# Altium PCB CORE_BOARD.PcbDoc (part 1 of 2)
Units mm, origin at the board's own origin, x right, y up, seen from the top; angles counter-clockwise.
Board outline 58 x 85.8 mm, 4 copper layers (Top Layer, PWR02, GND03, Bottom Layer), stack 1.883 mm thick; 89 components, 117 nets, 444 pads, 229 vias.
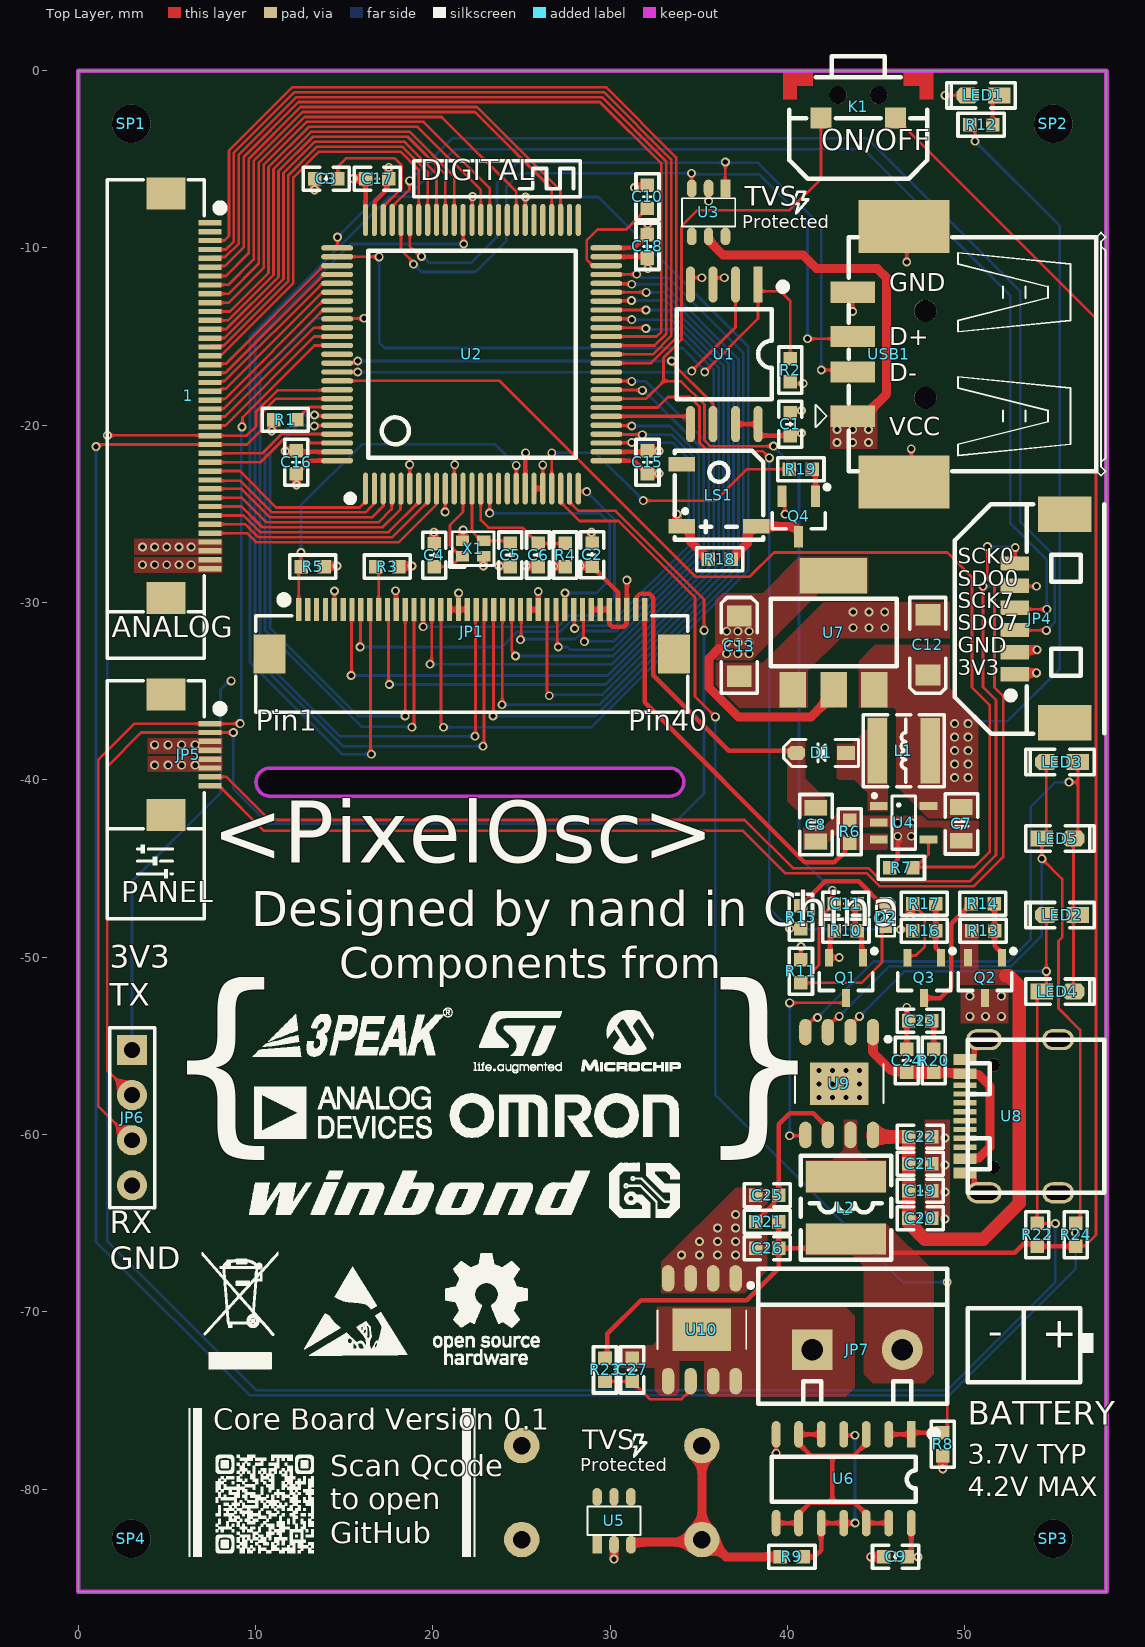
[diagram p0: Top Layer view]
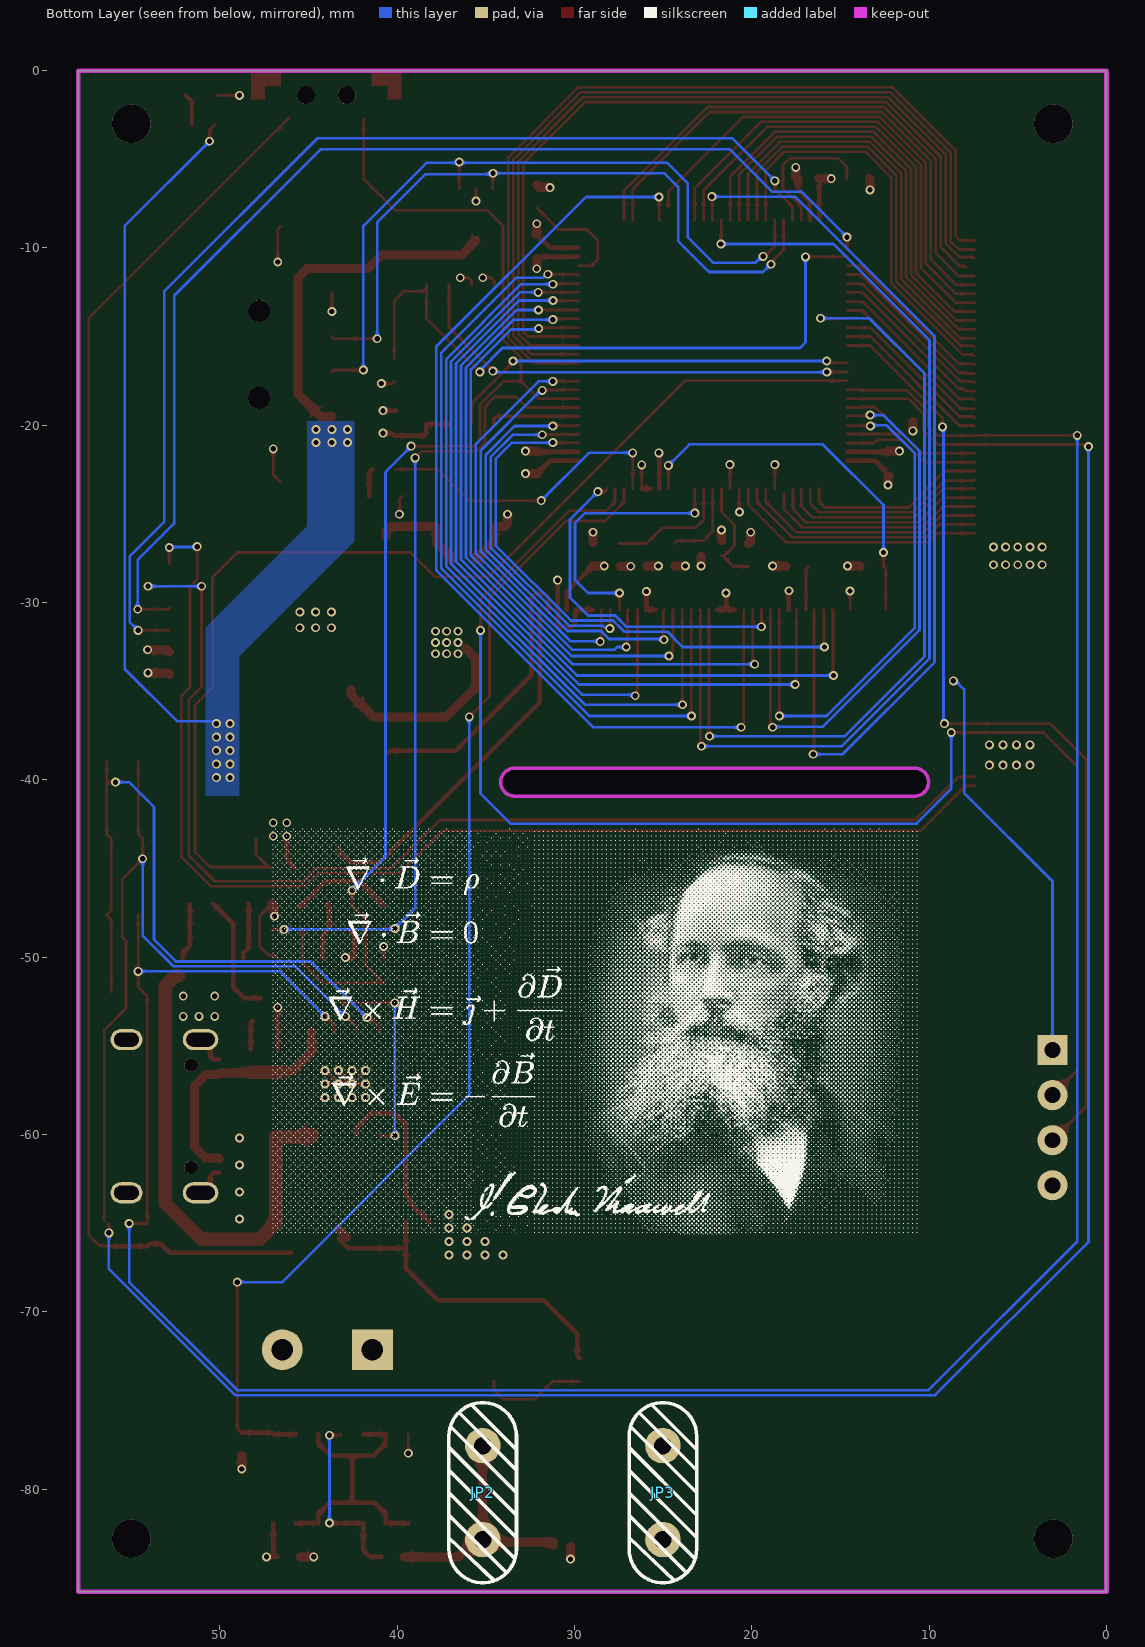
[diagram p1: Bottom Layer view, seen from below]
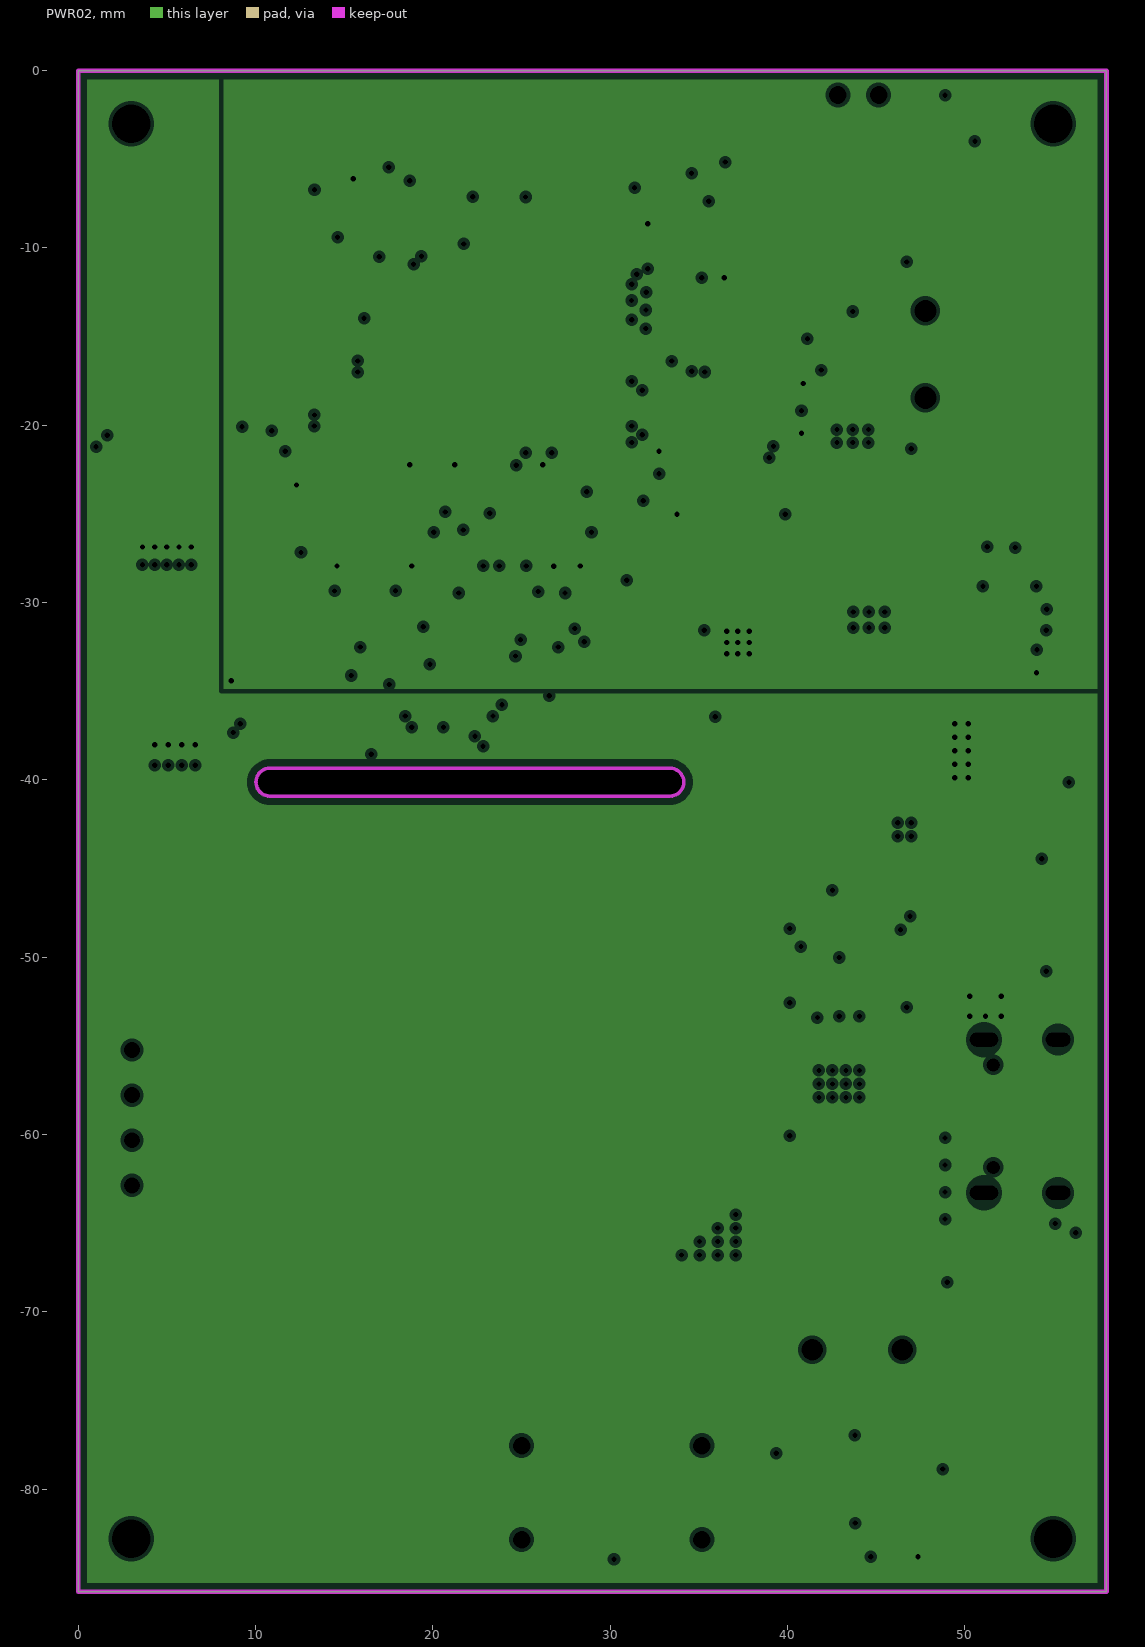
[diagram p2: PWR02, clearances drawn from the general rule]
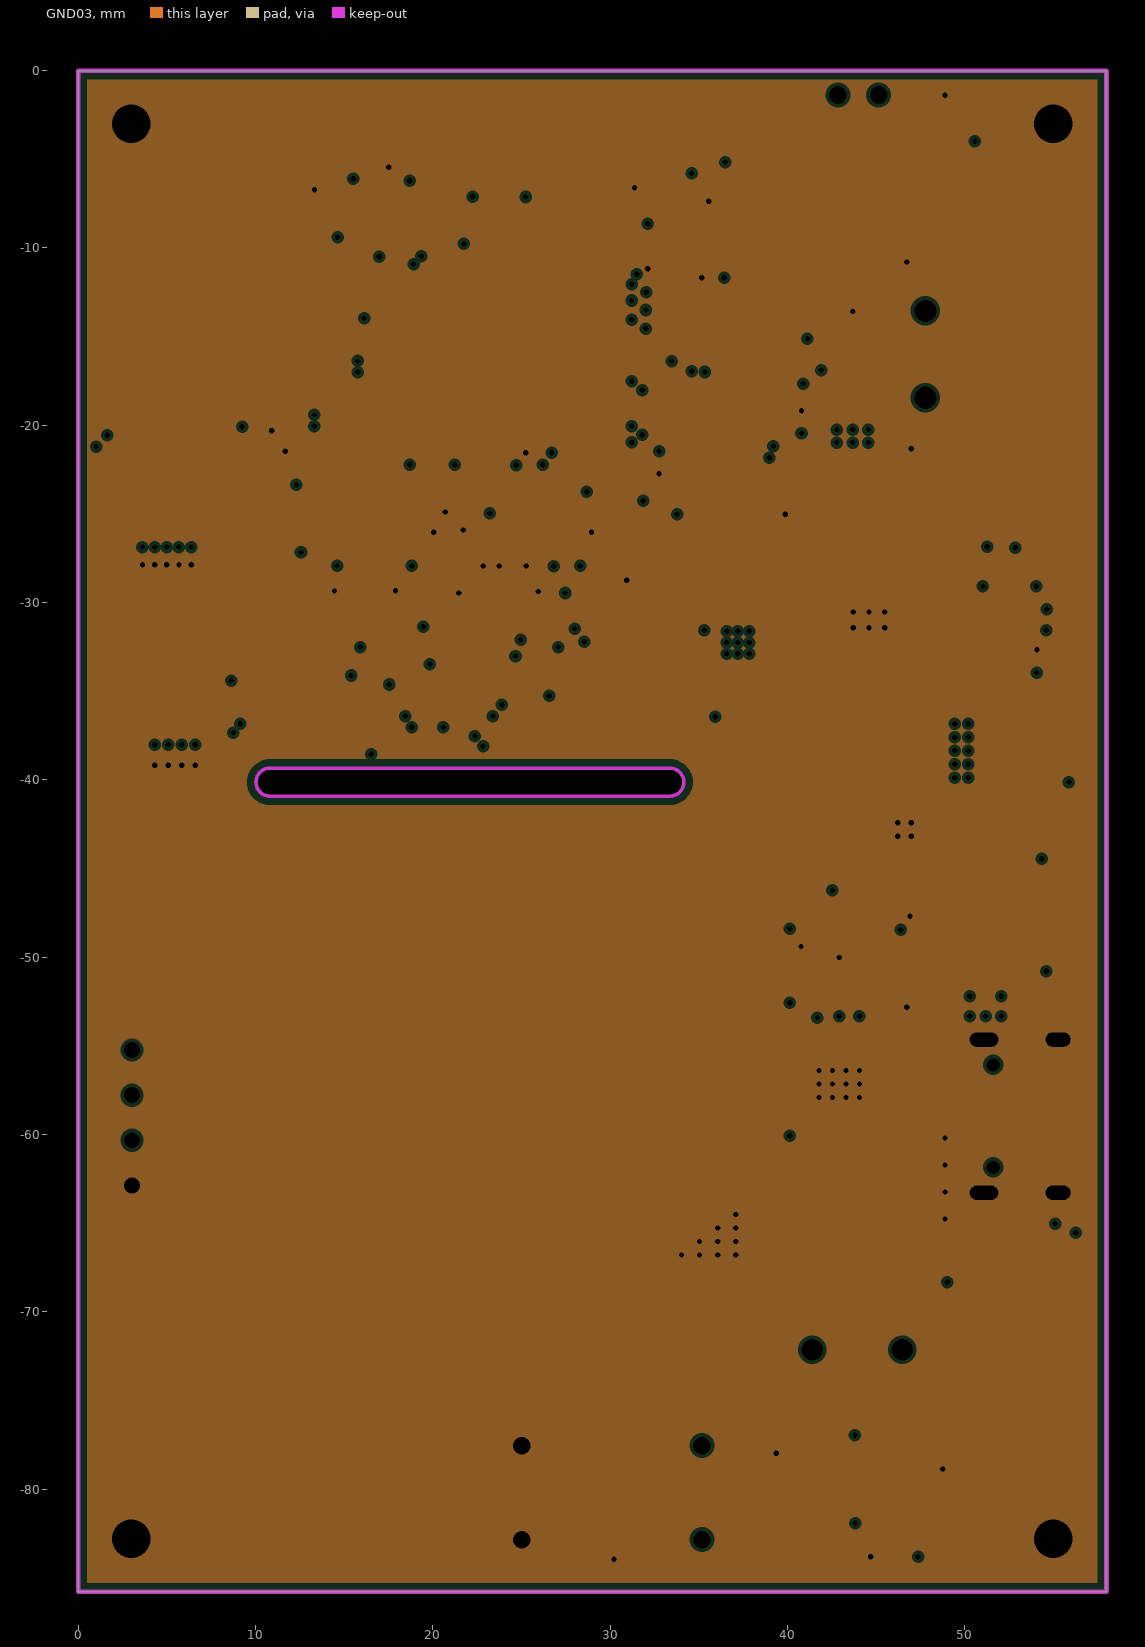
[diagram p3: GND03, clearances drawn from the general rule]

## Layer stack, top to bottom
Top Solder: solder mask 0.0102, Solder Resist, Dk 3.5
Top Layer: signal copper 0.0356
Dielectric 2: prepreg 0.0711, PP-006, Dk 4.1
PWR02: plane copper 0.035, net (Multiple Nets)
Dielectric 1: dielectric 1.6, FR-4, Dk 4.8
GND03: plane copper 0.035, net DGND
Dielectric 3: prepreg 0.0711, PP-006, Dk 4.1
Bottom Layer: signal copper 0.0356
Bottom Solder: solder mask 0.0102, Solder Resist, Dk 3.5

## Board outline
0,-85.8 0,0 58,0 58,-85.8
cut-out: 10.033,-40.132 ccw(c10.82,-40.132) 10.82,-40.919 33.376,-40.919 ccw(c33.376,-40.132) 34.163,-40.132 ccw(c33.376,-40.132) 33.376,-39.345 10.82,-39.345 ccw(c10.82,-40.132)

## Design rules (kind name [scope] priority, off if disabled: settings)
Clearance [All] p1: gap=0.127 ignorepadtopadclearanceinfootprint=FALSE
DiffPairsRouting [All] p1: maxlimit=0.508 minlimit=0.254 mostfreqgap=0.508 toplayer_minwidth=0.152 toplayer_maxwidth=0.508 toplayer_prefwidth=0.381 bottomlayer_minwidth=0.152 bottomlayer_maxwidth=0.508 bottomlayer_prefwidth=0.381 maxuncoupledlength=12.7
PlaneClearance [All] p1: clearance=0.203
PlaneConnect [All] p1: planeconnectstyle=Direct reliefexpansion=0.508 reliefentries=4 reliefconductorwidth=0.254 reliefairgap=0.254
PolygonConnect [All] p1: connectstyle=Direct reliefconductorwidth=0.254 reliefentries=4 polygonreliefangle="90 Angle" airgapwidth=0.254
RoutingVias [All] p1: holewidth=0.3 width=0.5 viastyle="Through Hole" minholewidth=0.3 minwidth=0.5 maxholewidth=0.3 maxwidth=0.5
SolderMaskExpansion [All] p1: expansion=0.102 istentingtop=FALSE
Width [All] p1: maxlimit=1.27 minlimit=0.152 preferedwidth=0.152
27 further rules are at their usual default settings.

## Classes and differential pairs
component class POWER_BANK_PART: C19 C20 C21 C22 C23 C24 C25 C26 C27 JP7 L2 LED2 LED3 LED4 LED5 R20 R21 R22 R23 R24 U8 U9 U10
component class DIGITAL_PART: 1 C1 C2 C3 C4 C5 C6 C7 C8 C9 C10 C11 C12 C13 C15 C16 C17 C18 D1 D2 JP1 JP2 JP3 JP4 JP5 JP6 K1 L1 LED1 LS1 Q1 Q2 Q3 Q4 R1 R2 R3 R4 R5 R6 R7 R8 R9 R10 R11 R12 R13 R14 R15 R16 R17 R18 R19 SP1 SP2 SP3 SP4 U1 U2 U3 U4 U5 U6 U7 USB1 X1
differential pair USB: +USB_P -USB_N

## Components (designator, comment, footprint, x,y, rotation, side; value= is the part's Value field where it differs from the comment)
1 "FPC1.0-40P" "FPC0.5 2H-WS-40P" 4.953,-18.339 r270 top
C1 "100nF" "C 0603_L" 40.164,-19.939 r90 top
C2 "22uF" "C 0603_L" 28.988,-27.305 r90 top
C3 "2.2uF" "C 0603_L" 14.002,-6.096 r180 top
C4 "10pF" "C 0603_L" 20.091,-27.33 r90 top
C5 "10pF" "C 0603_L" 24.367,-27.321 r270 top
C6 "0.1uF" "C 0603_L" 25.94,-27.321 r90 top
C7 "22uF" "C 0805_L" 49.816,-42.484 r90 top
C8 "22uF" "C 0805_L" 41.61,-42.526 r270 top
C9 "100nF" "C 0603_L" 46.101,-83.82 r0 top
C10 "2.2uF" "C 0603_L" 32.114,-7.112 r270 top
C11 "1uF" "C 0603_L" 43.292,-46.99 r0 top
C12 "10uF" "CD A(3216)" 47.93,-32.385 r90 top
C13 "10uF" "CD A(3216)" 37.287,-32.461 r270 top
C15 "100nF" "C 0603_L" 32.114,-22.098 r90 top
C16 "100nF" "C 0603_L" 12.302,-22.098 r270 top
C17 "100nF" "C 0603_L" 16.874,-6.096 r180 top
C18 "100nF" "C 0603_L" 32.114,-9.921 r90 top
C19 "22uF" "C 0603_L" 47.498,-63.183 r0 top
C20 "22uF" "C 0603_L" 47.503,-64.717 r0 top
C21 "22uF" "C 0603_L" 47.498,-61.659 r0 top
C22 "22uF" "C 0603_L" 47.498,-60.135 r0 top
C23 "10uF" "C 0603_L" 47.498,-53.594 r180 top
C24 "10uF" "C 0603_L" 46.736,-55.832 r90 top
C25 "22uF" "C 0603_L" 38.862,-63.436 r180 top
C26 "22uF" "C 0603_L" 38.862,-66.421 r180 top
C27 "0.1uF/16V" "C 0603_L" 31.242,-73.279 r90 top
D1 "B5919WS" SOD-323 41.91,-38.481 r180 top
D2 "1N4148" SOD-523_L 45.542,-47.752 r90 top
JP1 "AT043TN24" "FPC0.5 2H-WS-40P" 22.201,-32.897 r0 top
JP2 "冷压插片" DJ610-4.8x0.5x14 35.179,-80.199 r90 bottom
JP3 "冷压插片" DJ610-4.8x0.5x14 25.019,-80.199 r90 bottom
JP4 "HDR-1X6" "MX 1.25-WS-6P" 55.645,-30.912 r90 top
JP5 "FPC1.0-8P" "FPC0.5 2H-WS-8P" 4.953,-38.583 r270 top
JP6 "HDR-1X4" HDR2.54-LI-4P 3.048,-59.055 r270 top
JP7 "HDR-1X2" KF301-5.0-2P 46.482,-72.136 r0 top
K1 "6x6x5" TACT-SWITCH-3*6*3.5MM-SMD 44,-2.032 r180 top
L1 "22uH" NR4020 46.563,-38.354 r180 top
L2 "1uH" CD43 43.307,-64.135 r270 top
LED1 "红色" "LED 0603G" 51.054,-1.397 r180 top
LED2 "红色" "LED 0603W" 55.499,-47.621 r180 top
LED3 "红色" "LED 0603W" 55.499,-38.989 r180 top
LED4 "红色" "LED 0603W" 55.245,-51.95 r0 top
LED5 "红色" "LED 0603W" 55.245,-43.318 r0 top
LS1 "BUZZER" BUZZER-5*5*2mm 36.139,-23.952 r0 top
Q1 "SI2302" SOT23-3L 43.307,-51.181 r180 top
Q2 "AO3401" SOT23-3L 51.149,-51.181 r180 top
Q3 "SI2302" SOT23-3L 47.72,-51.181 r180 top
Q4 "SS8050" SOT23-3N 40.64,-25.146 r180 top
R1 "4.99K" "R 0603_L" 11.684,-19.685 r0 top
R2 "10K" "R 0603_L" 40.164,-16.891 r270 top
R3 "75" "R 0603_L" 17.431,-27.971 r180 top
R4 "10K" "R 0603_L" 27.464,-27.321 r270 top
R5 "4.99K" "R 0603_L" 13.24,-27.971 r180 top
R6 "15" "R 0603_L" 43.515,-42.926 r270 top
R7 "4.99K" "R 0603_L" 46.436,-44.958 r0 top
R8 "49.9K" "R 0603_L" 48.768,-77.47 r270 top
R9 "100R" "R 0603_L" 40.259,-83.82 r0 top
R10 "49.9K" "R 0603_L" 43.307,-48.514 r0 top
R11 "20K" "R 0603_L" 40.767,-50.8 r90 top
R12 "10K" "R 0603_L" 50.927,-3.048 r180 top
R13 "10K" "R 0603_L" 51.037,-48.514 r180 top
R14 "1K" "R 0603_L" 51.022,-46.99 r0 top
R15 "4.99K" "R 0603_L" 40.767,-47.752 r90 top
R16 "4.99K" "R 0603_L" 47.72,-48.514 r180 top
R17 "20K" "R 0603_L" 47.72,-46.99 r0 top
R18 "1K" "R 0603_L" 36.195,-27.559 r0 top
R19 "10K" "R 0603_L" 40.767,-22.479 r0 top
R20 "2R" "R 0603_L" 48.26,-55.832 r270 top
R21 "0.5R" "R 0603_L" 38.862,-64.929 r0 top
R22 "2K" "R 0603_L" 54.092,-65.659 r270 top
R23 "1K" "R 0603_L" 29.718,-73.279 r270 top
R24 "2K" "R 0603_L" 56.261,-65.659 r270 top
SP1 "M2铜柱" M2#1 4.06,-3.302 r0 top
SP2 "M2铜柱" M2#2 6.509,-1.143 r0 top
SP3 "M2铜柱" M2#3 55,-82.517 r0 top
SP4 "M2铜柱" M2#4 49.779,-82.131 r0 top
U1 "W25Q128" SOP8W_L 36.445,-16.002 r270 top
U2 "STM32H750VBT6" "TQFP100 14x14_N" 22.208,-16.002 r0 top
U3 "SRV05-4" SOT-23-6M 35.56,-8.001 r180 top
U4 "CAT4139" SOT23-5L 46.563,-42.418 r270 top
U5 "SRV05-4" SOT-23-6M 30.226,-81.788 r0 top
U6 "CD4011" SOP14_L 43.18,-79.415 r270 top
U7 "AMS1117-3.3" SOT-223 42.545,-31.623 r0 top
U8 "USB-C" USB-C-16 52.646,-58.97 r90 top
U9 "IP5306" SOP-8-G 42.926,-57.129 r270 top
U10 "XB8886A" SOP-8-G 35.179,-71.014 r270 top
USB1 "USB" USB-A/S_C 47.784,-16.002 r90 top
X1 "32M" "OSC 2016-4P" 22.276,-26.956 r0 top
